# KiCad board AWS PROJECT.kicad_pcb (continued)
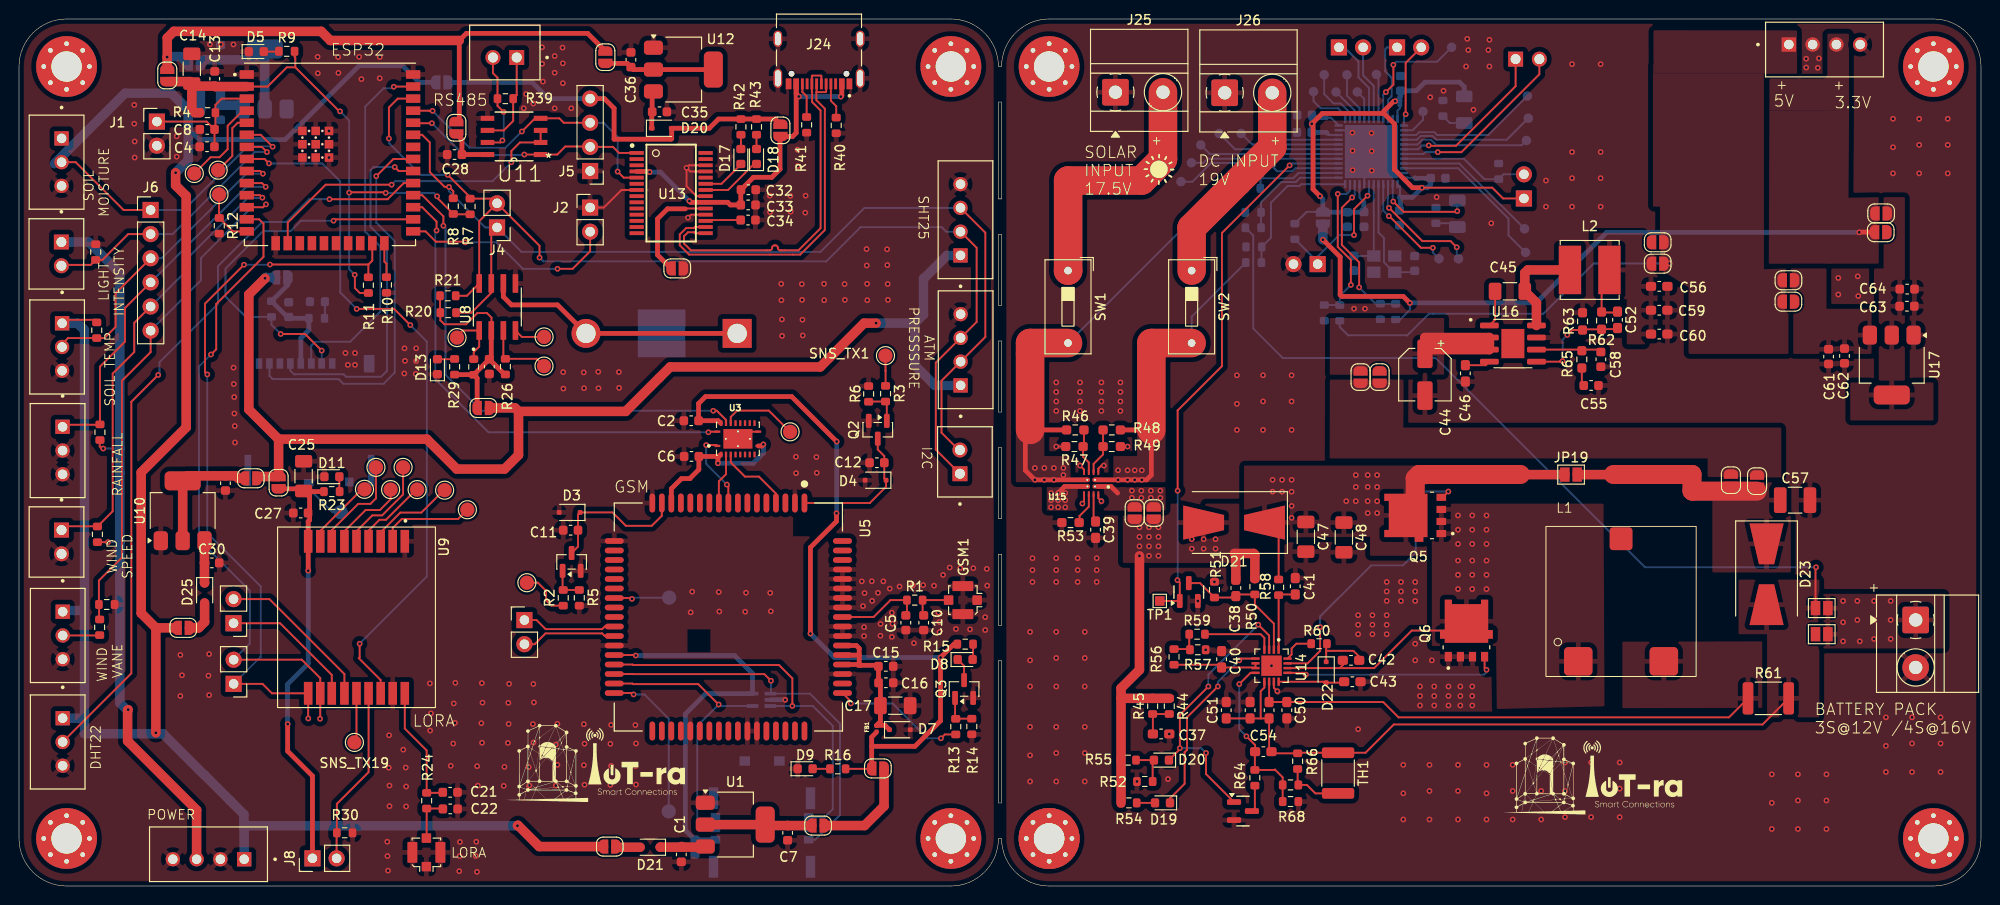
[diagram p0: board, top side]
## Nets (continued)
/power board/5V_INPUT: R71.2 R72.1 U18.11
GND: BT1.2 C1.2 C2.2 C3.2 C4.1 C5.2 C6.2 C7.2 C8.2 C9.2 C10.2 C11.2 C12.2 C13.2 C14.2 C15.2 C16.2 C17.2 C18.2 C21.2 C22.2 C25.2 C26.2 C27.2 C28.2 C29.2 C30.2 C31.2 C32.2 C33.2 C34.2 C35.2 C36.2 C37.2 C39.2 C40.2 C41.2 C43.2 C44.2 C46.2 C47.2 C48.2 C50.2 C51.2 C53.2 C55.2 C56.2 C57.2 C58.2 C59.2 C60.2 C61.2 C62.2 C63.2 C64.2 C65.2 C66.2 C67.2 C68.2 C69.2 C70.2 C71.2 C72.1 C73.1 D3.2 D4.2 D5.1 D6.2 D7.2 D9.1 D11.1 D13.1 D14.1 GSM1.2 GSM2.2 J1.2 J2.1 J5.1 J7.G1 J7.G2 J7.G3 J7.G4 J7.S4 J11.4 J12.2 J12.3 J13.2 J15.2 J15.4 J16.6 J16.9 J16.P1 J16.P2 J16.P3 J16.P4 J17.4 J18.3 J19.3 J20.3 J22.3 J24.A1_B12 J24.B1_A12 J24.S1 J24.S2 J24.S3 J24.S4 J25.1 J26.1 J27.2 J28.2 J28.4 J29.2 JP17.2 Q1.2 Q2.2 Q3.2 Q4.2 Q6.1 Q6.2 Q6.3 Q7.2 R5.1 R6.1 R10.2 R12.2 R14.1 R30.1 R34.1 R36.1 R40.1 R41.1 R47.2 R49.2 R51.1 R52.1 R53.2 R57.1 R63.2 R68.1 R70.2 R72.2 R74.2 R76.2 R78.2 R80.1 R81.1 R82.1 U1.1 U2.1 U3.11 U3.21 U3.21_1 U3.21_2 U3.21_3 U3.21_4 U4.1 U4.15 U4.38 U4.39_1 U4.39_2 U4.39_3 U4.39_4 U4.39_5 U4.39_6 U4.39_7 U4.39_8 U4.39_9 U5.2 U5.17 U5.18 U5.29 U5.39 U5.45 U5.46 U5.54 U5.58 U5.59 U5.61 U5.62 U5.63 U5.64 U5.65 U8.5 U9.1 U9.17 U10.1 U11.5 U12.1 U13.7 U13.18 U13.21 U13.25 U13.26 U14.11 U14.17 U15.3 U15.6 U15.9 U15.12 U16.7 U17.1 U18.8 U18.23 U18.35 U18.47 U18.49 Y1.2 Y1.4
VBUS: C32.1 C33.1 J24.A4_B9 J24.B4_A9 JP15.1 U13.4 U13.20
VDD: C65.1 C66.1 C67.1 C68.1 C69.1 C70.1 C71.1 D25#2.2 J30.1 JP25.1 R79.2 U18.1 U18.9 U18.22 U18.24 U18.36 U18.48
/gate way/32khz: R25.1 SNS_TX11.1 U8.1
/gate way/-rs485 en: U4.16 U11.2 U11.3
/gate way/D+: J3.1 U5.27
/gate way/D-: J3.2 U5.28
/gate way/DAVIS 7852: J6.4 J12.1 R32.1 U4.10
/gate way/DHT22: J22.2 U4.29
/gate way/DS18B20: J6.3 J20.2 R38.1 U4.9
/gate way/ESP32 power in: C13.1 C14.1 JP5.1 R4.1 R7.2 R8.2 R9.2 R11.1 U4.2
/gate way/ESP_RX: U3.20 U4.27
/gate way/ESP_TX: U3.18 U4.28
/gate way/gsm power key: R3.1 SNS_TX1.1
/gate way/gsm reset: R2.1 SNS_TX2.1
/gate way/gsm rx: U3.3 U5.10
/gate way/gsm tx: U3.1 U5.9
/gate way/GSM_pw in: C2.1 FB1.2 JP6.1 R15.2 R16.2 U3.19
/gate way/I2C SCL: J4.2 J11.3 J17.2 J23.1 R7.1 R21.1 U4.36 U8.8
/gate way/I2C SDA: J4.1 J11.2 J17.3 J23.2 R8.1 R20.1 U4.33 U8.7
/gate way/INSPEED VORTEX: J6.5 J13.1 R33.1 U4.11
/gate way/INSPEEED VANE: J6.6 R36.2 R37.2 U4.12
/gate way/LORA ANT: C21.1 R24.1 U9.18
/gate way/LORA BOOT: J8.2 R30.2 U9.15
/gate way/lora power in: C25.1 C27.1 J8.1 JP8.1 R23.2 U9.9
/gate way/LORA RST: U4.8 U9.16
/gate way/LORA_RX: J10.2 U4.13 U9.11
/gate way/LORA_TX: J10.1 R11.2 U4.23 U9.10
/gate way/main ant: C5.1 R1.1 U5.60
/gate way/netlight: R13.1 U5.52
/gate way/nreset: C11.1 D3.1 Q1.3 U5.16
/gate way/pwkey: C12.1 D4.1 Q2.3 U5.1
/gate way/ri: U3.4 U5.4
/gate way/RI: SNS_TX5.1 U3.17
/gate way/RS485 power in: C28.1 JP11#2.1 U11.8
/gate way/RTC INT: R26.1 SNS_TX10.1 U8.3
/gate way/RTC power input: C26.1 JP10.1 R20.2 R21.2 R25.2 R26.2 R29.2 U8.2
/gate way/RTC RST: SNS_TX9.1 U8.4
/gate way/rx: J5.2 U4.34 U11.1 U13.1
/gate way/S1223: J6.2 J14.2 R34.2 U4.7
/gate way/SD CS: J16.2 R35.1 U4.26
/gate way/SD power in: C29.1 J16.4 JP12#2.1 R31.2 R35.2
/gate way/SIM CLK: D6.1 J7.S3 U5.32
/gate way/SIM DATA: D6.3 J7.S6 U5.31
/gate way/SIM DET: SNS_TX8.1 U5.34
/gate way/SIM RST: D6.4 J7.S2 U5.33
/gate way/SIM VDD: C18.1 D6.5 J7.S1 U5.30
/gate way/strap2: R10.1 U4.24
/gate way/strap12: R12.1 SNS_TX7.1 U4.14
/gate way/tx: J5.3 U4.35 U11.4 U13.5
/gate way/USBD+: J24.A6 J24.B6 U13.15
/gate way/USBD-: J24.A7 J24.B7 U13.16
/gate way/VH400: J6.1 J19.2 U4.6
/gate way/VSPI-CLK: J16.5 U4.30
/gate way/VSPI-MISO: J16.7 U4.31
/gate way/VSPI-MOSI: J16.3 U4.37
/power board/BATT_INPUT: R75.2 R76.1 U18.13
/power board/BATT_VAL: C49.2 C51.1 C53.1 C54.1 D23.2 JP21#2.1 R61.2 R66.2 R75.1 TH1.1 U14.9
/power board/BATTERY BMS: J27.1 JP19.2 JP21#2.2
/power board/BOOT0_MCU: J30.2 R80.2 U18.44
/power board/BOOT1_MCU: PB21.1 U18.20
/power board/btst: R60.2 U14.16
/power board/CE: Q4.1 TP1.1 U18.16
/power board/cin: C72.2 U18.5 Y1.1
/power board/cout: C73.2 U18.6 Y1.3
/power board/DC JACK INPUT: R48.1 R73.1 SW2.2 U15.2 U15.2_1
/power board/DC_INPUT: R73.2 R74.1 U18.12
/power board/FB: C52.2 R62.2 R63.1 U16.5
/power board/hidriv: Q5.4 U14.15
/power board/lodriv: Q6.4 U14.13
/power board/MCU_SCL: J33.1 U18.42
/power board/MCU_SDA: J33.2 U18.43
/power board/mpptset: C38.2 Q4.3 R50.1 R51.2 U14.2
/power board/MUXOUT: C38.1 D21#2.2 JP13#2.2 JP18.2 R44.2 R45.2 R50.2 R54.2 R55.2
/power board/OV1: R46.2 R47.1 U15.5
/power board/OV2: R48.2 R49.1 U15.4
/power board/ph: C42.2 L1.1 Q5.1 Q5.2 Q5.3 Q6.5_6 U14.14
/power board/regn: C43.1 D22.2 U14.12
/power board/RST_MCU: J29.1 R79.1 U18.7
/power board/SOLAR INPUT: R46.1 R77.1 SW1.2 U15.7 U15.7_1
/power board/SOLAR_INPUT: R77.2 R78.1 U18.14
/power board/srn: JP19.1
/power board/srp: C49.1 C50.1 L1.2 R61.1 U14.10
/power board/stat1: D19.1 U14.5
/power board/stat2: D20#2.1 Q7.1 U14.3
/power board/SW_AP: C45.1 L2.1 U16.8
/power board/ts: R59.2 U14.4
/power board/vfb: C54.2 R64.2 R67.1 R68.2 U14.8
/power board/vref: C40.1 R56.2 U14.6 U14.7
Vbuck: JP11.2 JP18#2.2 JP19#3.2 JP20.2
Net-(C10-Pad1): C10.1 GSM1.1 R1.2
Net-(C15-Pad1): C15.1 C16.1 C17.1 D7.1 FB1.1 U5.55 U5.56 U5.57
Net-(C22-Pad1): C22.1 GSM2.1 R24.2
Net-(C37-Pad1): C37.1 R44.1 R45.1
Net-(C42-Pad1): C42.1 D22.1 R60.1
Net-(C55-Pad1): C55.1 R65.1
Net-(D5-A): D5.2 R9.1
Net-(D8-A): D8.2 R15.1
Net-(D8-K): D8.1 Q3.3
Net-(D9-A): D9.2 R16.1
Net-(D11-A): D11.2 R23.1
Net-(D13-A): D13.2 R29.1
Net-(D14-A): D14.2 R31.1
Net-(D17-A): D17.2 R42.1
Net-(D17-K): D17.1 U13.23
Net-(D18-A): D18.2 R43.1
Net-(D18-K): D18.1 U13.22
Net-(D19-A): D19.2 R54.1
Net-(D20-A): D20#2.2 R52.2 R55.1
Net-(D20-K): D20.1
Net-(D21-A): D21.2
Net-(D21-K): C47.1 C48.1 C57.1 D21#2.1 D23.1 JP18#2.1 JP19#2.1 JP19#2.2 JP20.1 Q5.5_6 R58.2
Net-(D24-A): D24#2.2 U18.2
Net-(D24-K): D24#2.1 R81.2
Net-(D25-A): D25.2 JP13.1
Net-(D25-K): D25#2.1 R82.2
Net-(J1-Pin_1): C4.2 C8.1 J1.1 R4.2 U4.3
Net-(J2-Pin_2): J2.2 U4.25
Net-(J9-Pin_1): J9.1 U9.12
Net-(J9-Pin_2): J9.2 U9.13
Net-(J16-DETECT_SWITCH): J16.10 SNS_TX20.1
Net-(J18-Pad2): J18.2 R37.1
Net-(J24-CC1): J24.A5 R40.2
Net-(J24-CC2): J24.B5 R41.2
Net-(J25-Pin_2): J25.2 SW1.1
Net-(J26-Pin_2): J26.2 SW2.1
Net-(J31-Pin_1): J31.1 U18.30
Net-(J31-Pin_2): J31.2 U18.31
Net-(J32-Pin_1): J32.1 U18.34
Net-(J32-Pin_2): J32.2 U18.37
Net-(JP1-A): JP1.1
Net-(JP2-A): D24.2 JP2.1
Net-(JP3-A): C7.1 JP3.1 U1.2
Net-(JP4-A): C9.1 JP4.1 U2.2
Net-(JP9-A): JP9.1
Net-(JP11-A): JP11.
Net-(JP12-A): JP12.1
Net-(JP13-A): JP13#2.1 JP18.1 U15.1 U15.1_1 U15.8 U15.8_1
Net-(JP14-A): C31.1 JP14.1 U10.2
Net-(JP16-A): C36.1 JP16.1 U12.2
Net-(JP17-A): JP17.1 U13.19
Net-(JP19-A): C44.1 JP19#3.1 U16.2 U16.3
Net-(JP21-A): JP21.1
Net-(JP22-A): C52.1 C56.1 C59.1 C60.1 JP22.1 L2.2 R62.1
Net-(JP23-A): C61.1 C62.1 JP23.1 U17.3
Net-(JP24-A): C63.1 C64.1 JP24.1 U17.2
Net-(Q1-B): Q1.1 R2.2 R5.2
Net-(Q2-B): Q2.1 R3.2 R6.2
Net-(Q3-B): Q3.1 R13.2 R14.2
Net-(Q7-D): Q7.3 R64.1
Net-(R56-Pad1): R56.1 R57.2 R59.1
Net-(R66-Pad1): R66.1 R67.2 TH1.2
Net-(U1-VI): C1.1 D21.1 U1.3
Net-(U2-VI): C3.1 D24.1 U2.3
Net-(U4-SENSOR_VN): SNS_TX4.1 U4.5
Net-(U4-SENSOR_VP): SNS_TX3.1 U4.4
Net-(U5-USB_VBUS): SNS_TX6.1 U5.24
Net-(U8-VBAT): BT1.1 BT1.1_1 U8.6
Net-(U9-IO4): SNS_TX17.1 U9.5
Net-(U9-IO5): SNS_TX18.1 U9.6
Net-(U9-IO8): SNS_TX14.1 U9.2
Net-(U9-IO9): SNS_TX16.1 U9.4
Net-(U9-IO11): SNS_TX15.1 U9.3
Net-(U9-IO14): SNS_TX19.1 U9.14
Net-(U9-SWC/IO7): SNS_TX12.1 U9.7
Net-(U9-SWD/IO6): SNS_TX13.1 U9.8
Net-(U10-VI): C30.1 D25.1 U10.3
Net-(U11-A): J21.1 R39.2 U11.6
Net-(U11-B): J21.2 R39.1 U11.7
Net-(U12-VI): C35.1 U12.3
Net-(U13-3V3OUT): C34.1 U13.17
Net-(U14-VCC): C41.1 R58.1 U14.1
Net-(U15-ILIM): R53.1 U15.10
Net-(U15-SS): C39.1 U15.11
Net-(U16-BST): C45.2 U16.1
Net-(U16-COMP): C58.1 R65.2 U16.6
Net-(U16-SS): C46.1 U16.4
Net-(U18-PA5): PB1.1 U18.15
Net-(U18-PA7): PB2.1 U18.17
Net-(U18-PA8): PB3.1 U18.29
Net-(U18-PA11): PB5.1 U18.32
Net-(U18-PA12): PB4.1 U18.33
Net-(U18-PA15/JTDI): PB6.1 U18.38
Net-(U18-PB0): PB7.1 U18.18
Net-(U18-PB1): PB8.1 U18.19
Net-(U18-PB3/JTDO-SWO): PB9.1 U18.39
Net-(U18-PB4/~{JTRST}): PB10.1 U18.40
Net-(U18-PB5): PB11.1 U18.41
Net-(U18-PB8): PB12.1 U18.45
Net-(U18-PB9): PB13.1 U18.46
Net-(U18-PB10): PB14.1 U18.21
Net-(U18-PB12): PB15.1 U18.25
Net-(U18-PB13): PB16.1 U18.26
Net-(U18-PB14): PB17.1 U18.27
Net-(U18-PB15): PB18.1 U18.28
Net-(U18-PC14-OSC32_IN): PB19.1 U18.3
Net-(U18-PC15-OSC32_OUT): PB20.1 U18.4

Pads without a net: J7 R1 R2 S5; J16 1 8; J24 A8 B8; L1 3; NOREF 1; REF** 1; REF**#2 1; REF**#3 1; REF**#4 1; REF**#5 1; REF**#6 1; REF**#7 1; REF**#8 1; U3 5 6 7 8 9 12 13 14 15 16; U4 17 18 19 20 21 22 32 39_10 39_11 39_12 39_13 39_14 39_15 39_16 39_17 39_18 39_19 39_20 39_21; U5 3 5 6 7 8 11 12 13 14 19 20 21 22 23 25 26 35 36 37 38 40 41 42 43 44 47 48 49 50 51 53 66 67 68; U13 2 3 6 8 9 10 11 12 13 14 24 27 28; U16 9

## Via types
v1: diameter 0.6, hole 0.3, Top to Bottom, 617 vias

## Routing (per net, layer and track width the routed paths; a pad name or vN(x,y) marks a point on that pad's centre or on a via; arc(x,y) is an arc through that point)
3v3: length 77.7
  Top w0.2: R33.2 v1(9.36,36.19) ; 8.48,46.67 8.48,46.27 8.71,46.04 v1(8.85,46.04)
  Top w1: v1(11.48,18.56) 11.42,18.5 11.42,15.26 18.68,8 J15.3
  Bottom w0.2: v1(8.85,46.04) 10.6,46.04 10.61,46.05 ; 10.61,36.22 10.58,36.19 v1(9.36,36.19)
  Bottom w1: 11.42,18.46 10.61,19.27 10.61,64.48 7.31,67.78 J14.1
5v: length 278.2
  Top w0.2: R38.2 7.9,59.59 4.57,59.59
  Top w0.5: JP15.2 79.53,80.72 R43.2 R42.2 73.56,80.72 72.59,79.75 D20.2 68.64,78.66 68.58,78.6 62.58,78.6 62.58,81.85 61.56,82.87 J5.4
  Top w1: v1(14.39,16.12) 14.39,27.17 ; 14.39,27.17 12.85,28.71 12.85,43.54 17.58,48.27 17.58,72.63 16.47,73.74 v1(16.47,75.07) ; 14.39,27.17 JP13.2 ; v1(52.42,6.34) 52.47,6.39 54.71,4.15 JP1.2
  Bottom w0.5: JP10#2.1 53.96,84.58 55.67,82.87 J5.4 ; JP10#2.2 42.07,84.58 42.08,84.59 40.32,86.34 35.77,86.34 27.99,78.56 18.95,78.56 17.79,79.72
  Bottom w1: v1(16.47,75.07) 17.79,76.39 JP2.2 16.02,83.44 11.15,83.44 3.73,76.02 ; J18.1 4.72,28.99 6.88,28.99 ; 6.88,28.99 6.88,17.71 ; 6.88,28.99 6.88,58.52 6.17,59.23 J20.1 ; 6.88,17.71 6.88,16.03 15.14,16.03 19.54,11.63 19.55,11.63 22.19,8.99 22.2,8.99 23.65,7.54 23.65,6.03 23.68,6 ; 6.88,17.71 6.83,17.66 J22.1 ; 23.68,6 J15.1 ; 23.68,6 24.02,6.34 v1(52.42,6.34)
+3.3V: length 70.5
  Top w0.5: v1(146.27,61.36) 145.58,62.05 139.11,62.05 138.94,62.22 138.94,66.21 v1(137.13,68.02) ; JP21.2 193.55,68.81 v1(193.53,68.79)
  Bottom w0.2: v1(146.27,61.36) 146.27,60.64 145.25,59.62 R69.1
  Bottom w0.5: v1(193.53,68.79) 166.97,68.79 159.54,61.36 v1(146.27,61.36)
  Bottom w1: JP25.2 v1(137.13,68.02)
+3.3V_ESP: length 61.9
  Top w0.5: 46.3,80.76 46.3,88.99 47.05,89.74 59.8,89.74 JP16.2
  Top w1: 46.3,88.99 32.74,88.99 31.78,89.95 16.28,89.95 15.59,89.26 15.59,87.25 v1(15.58,87.24) 15.58,85.97 JP5.2
  Bottom w1: v1(15.58,87.24) 15.64,87.3 17.03,87.3 JP4.2
+3.3V_GSM: length 11.1
  Top w1: JP6.2 90.97,8.41 88.92,6.36 JP3.2
+3.3V_LORA: length 127
  Top w1: 52.53,49.95 52.53,45.36 51.05,43.88 46.04,43.88 42.89,47.03 27.29,47.03 ; 52.53,49.95 63.8,49.95 68.48,54.63 84.26,54.63 88.87,59.24 v1(90.14,59.24) ; 52.53,49.95 52.16,50.32 49.49,50.32 JP10.2 ; 27.29,47.03 24.17,50.15 24.17,62.26 v1(25.87,63.96) ; 27.29,47.03 27.3,47.02 JP8.2 25.21,43.1 JP14.2
  Bottom w1: v1(90.14,59.24) 94.22,59.24 ; 94.22,59.24 94.22,54.78 96.31,52.69 J11.1 ; 94.22,59.24 95.12,60.14 95.12,63.95 95.17,63.95 97.59,66.37 J17.1 98.99,66.35 ; v1(25.87,63.96) 25.96,64.05 JP12#2.2
+5V: length 38.9
  Bottom w0.2: v1(173.6,65.52) 165.61,65.52 160.32,60.23 148.28,60.23 146,57.95 139.78,57.95 138.9,58.83 R71.1
/gate way/VDD_EXT: length 16.5
  Top w0.5: 73.57,45.21 73.5,45.14 v1(73.5,44.49) ; 73.57,45.21 C6.1 71.5,43.83 70.56,42.9 70.56,42.88 69.67,42.88 68.6,41.81 U5.15 ; 73.57,45.21 73.78,45.42 ; U3.10 78.11,46.31 v1(78.28,46.48)
  Bottom w0.5: v1(73.5,44.49) 77.2,44.49 78.28,45.57 v1(78.28,46.48)
/power board/3V3_INPUT: length 16.7
  Top w0.2: v1(140.2,72.46) 139.12,71.38 139.12,67.46 140.94,65.64 v1(140.94,63)
  Bottom w0.2: v1(140.2,72.46) 140.47,72.74 U18.10 ; R69.2 144.76,61.29 R70.1 142.65,61.29 v1(140.94,63)
/power board/5V_INPUT: length 16.5
  Top w0.2: v1(140.07,63.26) 140.07,65.88 138.69,67.26 v1(138.69,72.84)
  Bottom w0.2: v1(140.07,63.26) 138.9,62.09 R71.2 137.27,61.14 R72.1 ; v1(138.69,72.84) 139.62,72.84 139.97,73.19 U18.11
GND: length 44
  Top w0.2: 88.37,84.39 88.41,84.43 ; U15.3 113.51,43.92 113.83,44.25 v1(114.08,44.25) ; U15.6 112.01,43.83 v1(111.58,44.25) ; v1(70.2,75.59) 70.2,73.65 71.25,72.6 U13.21 ; v1(70.2,75.59) 70.58,75.2 U13.25 ; v1(70.2,75.59) 70.47,75.85 U13.26 ; U14.11 131.97,20.86 v1(132.33,20.5) ; U3.21 76.35,47.81 U3.11 ; U13.18 70.66,70.66 v1(70.35,70.35) ; U13.7 63.36,73.25 61.5,71.41 J2.1 ; R47.2 v1(109.08,46.25) ; v1(113.83,40.5) 113.51,40.83 U15.12 ; U15.9 112.01,40.42 v1(111.83,40.25) ; R49.2 v1(116.58,46.25)
  Bottom w0.2: U18.49 141.47,76.54 U18.8 ; U18.49 144.47,75.04 U18.47 ; U18.49 v1(140.23,79.29) 139.97,79.54 U18.23 ; U18.49 144.47,79.54 U18.35
  Bottom w0.5: D6.2 v1(80.58,19.6)
  vias: v1(12.12,82.21) v1(12.12,80.23) v1(12.16,78.36) v1(12.16,76.67) v1(16.58,78.9) v1(16.58,76.76) v1(16.97,24.32) v1(16.97,20) v1(17.14,22.18) v1(19.92,22.14) v1(19.99,24.41) v1(19.99,20.09) v1(20.08,88.59) v1(21.24,88.57) v1(22.55,88.57) v1(22.56,54.56) v1(22.58,52.83) v1(22.63,51.46) v1(22.65,49.73) v1(22.69,48.41) v1(22.71,46.68) v1(31.4,87.27) v1(31.42,85.54) v1(32.6,79.47) v1(32.6,76.67) v1(33.56,87.24) v1(33.59,85.58) v1(34.33,56.1) v1(34.58,54.85) v1(35.33,56.1) v1(35.33,54.85) v1(35.77,87.27) v1(36.01,84.92) v1(37.93,87.24) v1(37.93,85.01) v1(38.73,4.66) v1(38.75,3.15) v1(38.88,12.45) v1(38.81,1.62) v1(38.92,15.86) v1(38.96,10.57) v1(38.96,8.4) v1(40.41,14.35) v1(40.54,56.59) v1(40.52,53.94) v1(40.59,55.27) v1(40.67,12.47) v1(40.71,10.47) v1(40.71,8.37) v1(41.77,56.59) v1(41.76,55.24) v1(41.72,53.9) v1(43.21,21.32) v1(43.24,16.36) v1(43.32,18.17) v1(45.4,12.65) v1(45.67,14.99) v1(45.72,19.21) v1(45.84,17.17) v1(45.89,21.39) v1(46.37,4.64) v1(46.34,3.15) v1(46.3,1.56) v1(48.03,3.15) v1(48.18,12.61) v1(48.09,4.66) v1(48.16,1.49) v1(48.25,10.56) v1(48.67,21.35) v1(48.62,17.13) v1(48.74,19.3) v1(48.69,15.08) v1(50.97,10.54) v1(51.05,12.54) v1(51.46,19.28) v1(51.41,15.06) v1(51.54,21.28) v1(51.49,17.06) v1(53.08,81.85) v1(53.33,83.35) v1(53.6,12.52) v1(53.66,10.58) v1(54.04,17.04) v1(54.08,82.35) v1(54.09,21.26) v1(54.15,19.32) v1(54.1,15.1) v1(55,88.27) v1(55.02,86.54) v1(55.09,84.67) v1(56.33,87.35) v1(56.33,85.6) v1(56.33,81.85) v1(56.45,14.89) v1(56.45,10.57) v1(56.62,17.07) v1(56.62,12.75) v1(57.16,88.24) v1(57.19,86.58) v1(57.19,84.49) v1(57.23,54.08) v1(57.25,52.35) v1(58.08,81.85) v1(59.39,54.05) v1(59.42,52.39) v1(59.4,17.03) v1(59.47,14.98) v1(59.4,12.71) v1(59.47,10.66) v1(60.92,54.12) v1(60.94,52.39) v1(62.27,16.96) v1(62.19,14.96) v1(62.27,12.64) v1(62.19,10.64) v1(63.08,54.09) v1(63.11,52.43) v1(64.82,16.94) v1(64.88,15) v1(64.82,12.62) v1(64.88,10.68) v1(70.63,28.8) v1(70.8,30.98) v1(73.58,30.94) v1(73.65,28.89) v1(76.37,28.87) v1(76.45,30.87) v1(78.96,72.66) v1(78.98,70.93) v1(79,30.85) v1(79.06,28.91) v1(80.16,63.38) v1(80.18,61.65) v1(80.23,59.63) v1(80.25,57.9) v1(81.12,72.63) v1(81.15,70.97) v1(81.7,45.18) v1(81.72,43.45) v1(81.87,77.5) v1(81.89,75.77) v1(82.32,63.35) v1(82.35,61.69) v1(82.39,59.6) v1(82.42,57.94) v1(82.72,72.66) v1(82.69,70.87) v1(83.86,45.15) v1(83.89,43.49) v1(84.66,63.38) v1(84.68,61.65) v1(86.82,63.35) v1(86.85,61.69) v1(88.63,32.06) v1(88.76,29.46) v1(88.87,27.24) v1(88.87,26.31) v1(88.92,30.83) v1(89.13,67.04) v1(89.15,65.31) v1(89.19,63.38) v1(89.21,61.65) v1(89.68,32.07) v1(89.72,30.01) v1(90.33,30.86) v1(90.6,27.58) v1(90.59,26.34) v1(90.9,32.06) v1(91.29,67.01) v1(91.32,65.35) v1(91.35,63.35) v1(91.38,61.69) v1(91.57,31.3) v1(91.79,28.77) v1(91.86,27.6) v1(91.79,26.22) v1(92.6,31.52) v1(94,31.65) v1(94.11,25.56) v1(95.09,31.67) v1(96.23,31.61) v1(96.69,28.78) v1(96.79,27.78) v1(96.8,26.72) v1(97.18,32.74) v1(97.87,33.52) v1(98.53,27.05) v1(98.99,33.47) v1(100.01,27.01) v1(100.36,33.45) v1(101.61,28.3) v1(101.61,26.94) v1(101.77,33.38) v1(101.82,31.62) v1(106.33,26.75) v1(106.33,23.75) v1(106.33,21) v1(106.33,16.75) v1(106.33,13.75) v1(106.33,11) v1(106.58,34.5) v1(106.58,33.25) v1(106.58,32) v1(109.08,53) v1(109.08,52) v1(109.08,51) v1(109.08,50) v1(109.08,34.5) v1(109.08,33.25) v1(109.08,32) v1(109.08,26.75) v1(109.08,24) v1(109.08,21) v1(109.08,16.75) v1(109.08,14) v1(109.08,11) v1(111.33,34.5) v1(111.33,33.25) v1(111.33,32) v1(111.58,53) v1(111.58,52) v1(111.58,51) v1(111.58,50) v1(112.08,26.75) v1(112.08,24) v1(112.08,21) v1(112.08,16.75) v1(112.08,14) v1(112.08,11) v1(113.33,34.5) v1(113.33,33.25) v1(113.33,32) v1(113.83,53) v1(113.83,52) v1(113.83,51) v1(113.83,50) v1(115.83,53) v1(115.83,52) v1(115.83,51) v1(115.83,50) v1(117.57,11) v1(120.83,11.25) v1(120.97,16) v1(123.97,30) v1(124.79,24.86) v1(125.72,32.01) v1(128.08,53.75) v1(128.08,50.75) v1(128.08,48) v1(130.83,53.75) v1(130.83,51) v1(130.83,48) v1(131.72,23.19) v1(133.83,53.75) v1(133.83,51) v1(133.83,48) v1(140.25,77.38) v1(140.26,75.34) v1(140.4,60.76) v1(140.83,28.5) v1(140.83,27.5) v1(140.83,26.5) v1(140.83,16.5) v1(141.55,60.76) v1(142.24,79.24) v1(142.25,77.34) v1(142.26,75.3) v1(142.33,28.5) v1(142.33,27.5) v1(142.33,26.5) v1(143.83,32) v1(143.83,31) v1(143.83,30) v1(143.83,28.5) v1(143.83,27.5) v1(143.83,26.5) v1(145.33,32) v1(145.33,31) v1(145.33,30) v1(145.58,12.75) v1(145.58,9.75) v1(145.58,7) v1(146.83,32) v1(146.83,31) v1(146.83,30) v1(146.83,25.5) v1(146.83,23.75) v1(147.33,21) v1(147.33,20) v1(147.33,19) v1(148.33,12.75) v1(148.33,10) v1(148.33,7) v1(148.42,83.01) v1(148.58,23.75) v1(148.83,21) v1(148.83,20) v1(148.83,19) v1(149.08,72.5) v1(149.81,83.69) v1(150.33,21) v1(150.33,20) v1(150.33,19) v1(151.33,12.75) v1(151.33,10) v1(151.33,7) v1(151.58,21) v1(151.58,20) v1(151.58,19) v1(152.18,86.25) v1(152.31,89.16) v1(152.42,87.98) v1(152.83,21) v1(152.83,20) v1(152.83,19) v1(152.96,81.69) v1(154.33,12.75) v1(154.33,9.75) v1(154.33,7) v1(154.53,87.98) v1(154.64,89.06) v1(154.64,86.25) v1(154.83,69.75) v1(157.08,12.75) v1(157.08,10) v1(157.08,7) v1(160.08,12.75) v1(160.08,10) v1(160.08,7) v1(160.58,74.25) v1(160.58,71.5) v1(162.58,13) v1(162.58,10) v1(162.58,7.25) v1(163.33,86.5) v1(163.33,77.25) v1(163.33,74.5) v1(163.33,71.5) v1(165.33,13) v1(165.33,10.25) v1(165.33,7.25) v1(166.33,86.5) v1(166.33,77.25) v1(166.33,74.5) v1(166.33,71.5) v1(168.33,13) v1(168.33,10.25) v1(168.33,7.25) v1(184.33,11.75) v1(184.33,8.75) v1(184.33,6) v1(187.08,11.75) v1(187.08,9) v1(187.08,6) v1(187.95,87.07) v1(187.96,86.14) v1(189.17,86.11) v1(189.29,87.1) v1(190.08,11.75) v1(190.08,9) v1(190.08,6) v1(191.33,64) v1(191.33,62.25) v1(193.37,64.16) v1(193.43,62.09) v1(196.33,17.75) v1(196.33,14.75) v1(196.33,12) v1(197.08,80.75) v1(197.08,77.75) v1(197.08,75) v1(199.08,17.75) v1(199.08,15) v1(199.08,12) v1(199.83,80.75) v1(199.83,78) v1(199.83,75) v1(202.08,17.75) v1(202.08,15) v1(202.08,12) v1(202.83,80.75) v1(202.83,78) v1(202.83,75)
VBUS: length 36.7
  Top w0.5: J24.A4_B9 86.53,83.19 v1(86.42,83.08) ; U13.4 66.25,75.2 v1(66.32,75.14) ; v1(82.01,83.09) 81.73,83.37 J24.B4_A9 81.73,79.26 81.35,78.88 JP15.1 80.03,78.84 80.03,75.45 79.17,74.59 77.23,74.59 C32.1 75.91,73.26 75.91,71.68 74.81,71.68 74.53,71.95 U13.20 70.64,71.95 v1(70.5,72.09)
  Bottom w0.5: v1(70.5,72.09) 67.45,75.14 v1(66.32,75.14) ; v1(82.01,83.09) 82.02,83.08 v1(86.42,83.08)
VDD: length 81.9
  Top w0.2: v1(147.54,73.49) 154.94,73.49 156.07,72.36 J30.1
  Top w0.5: 143.54,81.31 143.54,81.55 144.57,82.59 v1(144.72,82.59) ; 143.54,81.31 144.65,80.2 144.65,75.4 146.56,73.49 v1(147.54,73.49) ; 143.54,81.31 137.06,81.31 136.09,80.34 136.09,73.33 v1(136.83,72.59)
  Bottom w0.2: 145.17,72.46 145.23,72.51 145.23,73.6 U18.1 ; R79.2 135.41,70.95 JP25.1 ; U18.22 137.77,79.04 137.6,79.21 ; 137.48,80.87 137.96,80.87 U18.24 ; U18.36 144.97,81.61 145.22,81.85 145.22,82.18 ; 141.44,71.98 140.97,72.45 U18.9 ; U18.48 146.77,74.54
  Bottom w0.5: C68.1 145.28,71.21 145.28,72.36 145.17,72.46 145.2,72.48 146.53,72.48 v1(147.54,73.49) 148.13,73.49 148.46,73.83 C67.1 146.82,74.49 146.77,74.54 ; D25#2.2 151.99,84.11 151.5,84.6 147.86,84.6 146.95,83.7 C65.1 145.29,83.11 145.22,83.04 145.22,82.66 ; C69.1 135.95,81.11 v1(135.95,80.22) C70.1 137.49,79.32 137.6,79.21 ; 145.22,82.66 145.22,82.18 ; 145.22,82.66 144.8,82.66 v1(144.72,82.59) ; 135.98,80.88 137.47,80.88 137.48,80.87 ; 141.44,71.98 C66.1 139.71,70.93 C71.1 137.16,70.92 JP25.1 137.13,72.29 v1(136.83,72.59)
/gate way/32khz: length 6
  Top w0.2: R25.1 47.82,56.2 48.39,56.78 U8.1 46.69,58.47 46.06,57.83 SNS_TX11.1
/gate way/-rs485 en: length 34.2
  Top w0.2: U4.16 28.26,69.82 32.25,73.81 v1(39.18,73.81) ; v1(51.78,76.17) 51.78,77.36 52.67,78.25 U11.2 U11.3
  Bottom w0.2: v1(39.18,73.81) 39.55,74.18 49.79,74.18 v1(51.78,76.17)
/gate way/D+: length 10
  Top w0.2: U5.27 61.6,27.31 61.33,27.03 55.38,27.03 54.43,27.99 J3.1
/gate way/D-: length 10
  Top w0.2: J3.2 54.23,25.45 55.36,26.58 61.33,26.58 61.6,26.31 U5.28
/gate way/DAVIS 7852: length 39.8
  Top w0.2: 4.71,48.54 8.26,48.54 8.48,48.32 ; 8.42,48.54 8.67,48.3 ; v1(25.94,73.59) 25.55,73.98 U4.10 ; 8.51,48.58 8.51,54.66 11.14,57.29 11.14,60.83 J6.4
  Bottom w0.2: v1(25.94,73.59) 23.9,73.59 J6.4
/gate way/DHT22: length 81
  Top w0.2: U4.29 40.46,73.98 38.76,72.28 v1(32.65,72.28) ; 14.64,53.76 v1(14.64,53.79) 11.81,50.96 11.81,22.38 J22.2
  Bottom w0.2: v1(14.64,53.79) 14.77,53.92 14.77,55.13 20.92,61.28 20.92,65.24 25.57,69.89 28.1,69.89 30.49,72.28 v1(32.65,72.28)
/gate way/DS18B20: length 32.4
  Top w0.2: 4.57,57.09 5.15,57.67 R38.1 8.98,57.67 10.15,58.84 10.15,62.38 J6.3 ; U4.9 25.37,75.25 v1(25.65,74.97)
  Bottom w0.2: J6.3 15.01,66.07 23.91,74.97 v1(25.65,74.97)
/gate way/ESP32 power in: length 61.2
  Top w0.2: U4.2 26.14,84.14 28.17,86.17 29.05,86.17 ; v1(38.56,72.95) 38.5,73.01 34.75,73.01 v1(34.72,72.98) ; 36.74,62.42 35.83,62.42 35.32,62.93 35.32,64.31 v1(35.3,64.33) ; 29.05,86.17 29.05,87.21 28.98,87.28 R9.2 ; 29.05,86.17 33.69,81.53 v1(33.76,81.53) ; v1(43.97,72.59) 43.97,72.44 R8.2 45.71,70.69 R7.2
  Top w1: C14.1 18.17,81.73 18.51,81.39 R4.1 ; C14.1 18.44,84.19 C13.1 20.62,84.14 U4.2 ; C14.1 17.97,84.66 JP5.1
  Bottom w0.2: v1(33.76,81.53) 34.72,80.57 34.72,64.91 v1(35.3,64.33) ; v1(38.56,72.95) 43.61,72.95 v1(43.97,72.59)
/gate way/ESP_RX: length 51.7
  Top w0.2: v1(72.5,47.75) 72.56,47.81 U3.20 ; U4.27 42.4,71.44 43.91,69.93 v1(43.91,68.99)
  Bottom w0.2: v1(43.91,68.99) 43.79,68.87 43.79,53.34 49.38,47.75 v1(72.5,47.75)
/gate way/ESP_TX: length 52.7
  Top w0.2: U3.18 74.35,49.06 73.39,50.02 v1(73.01,50.02) ; v1(44.63,69.49) 44.63,70.48 42.4,72.71 U4.28
  Bottom w0.2: v1(44.63,69.49) 44.85,69.27 44.85,53.82 48.65,50.02 v1(73.01,50.02)
/gate way/gsm power key: length 3.4
  Top w0.2: 91.27,52.5 R3.1 91.13,54.22 91.12,54.23 SNS_TX1.1
/gate way/gsm reset: length 5.4
  Top w0.2: R2.1 55.98,29.5 55.42,30.07 55.42,31.07 54.57,31.92 SNS_TX2.1
/gate way/gsm rx: length 5.4
  Top w0.2: 74.35,45.42 74.35,43.34 73.6,42.59 U5.10
/gate way/gsm tx: length 8.3
  Top w0.2: U3.1 73.36,46.41 v1(72.27,46.41) ; U5.9 74.6,42.09 v1(74.44,42.25)
  Bottom w0.2: v1(74.44,42.25) 74.44,42.26 72.27,44.43 v1(72.27,46.41)
/gate way/GSM_pw in: length 81.2
  Top w0.2: JP6.1 89.63,12.33 R16.2
  Top w0.5: 89.67,14.7 89.67,15.68 90.18,16.19 ; 89.67,14.7 JP6.1 ; 89.67,14.7 94.22,14.7 96.91,17.39 v1(96.91,24.05) 98.32,25.45 R15.2 ; v1(85.99,46.78) 81.26,51.51 72.2,51.51 71.47,50.78 C2.1 73.52,48.97 73.78,48.72 ; v1(85.97,39.23) 85.97,38.38 83.23,35.64 v1(83.23,26.57)
  Bottom w0.5: v1(85.97,39.23) 85.99,39.25 v1(85.99,46.78) ; v1(83.23,26.57) 85.75,24.05 v1(96.91,24.05)
/gate way/I2C SCL: length 115.8
  Top w0.2: R21.1 47.1,62.12 48.39,63.42 48.39,69.97 J4.2 ; J23.1 96.41,45.93 96.41,55.07 J11.3 100.71,59.37 100.71,67.17 J17.2 ; J4.2 49.77,72.34 47.44,72.34 47.44,72.49 v1(45.08,74.85) ; J4.2 54.74,67.38 v1(54.74,66.14) ; v1(38.9,78.67) 38.9,81.94 39.83,82.87 U4.36
  Bottom w0.2: v1(45.08,74.85) 42.24,74.85 38.94,78.15 38.94,78.71 v1(38.9,78.67) ; v1(54.74,66.14) 55.14,65.74 84.89,65.74 88.49,69.34 97.03,69.34 97.5,68.87 J17.2
/gate way/I2C SDA: length 109.1
  Top w0.2: U4.33 42.4,79.06 43.2,78.26 43.2,75.14 44.76,73.58 v1(45.22,73.58) 45.67,73.13 45.67,72.38 ; J17.3 101.62,68.76 101.62,57.78 J11.2 97.01,53.17 97.01,47.71 98.83,45.89 J23.2 ; J4.1 49.66,68.7 49.66,62.43 47.58,60.34 R20.1
  Bottom w0.2: v1(45.22,73.58) 45.22,73.12 49.03,69.31 J4.1 52.84,66.74 84.29,66.74 88.92,71.37 J17.3
/gate way/INSPEED VORTEX: length 48
  Top w0.2: U4.11 25.34,72.71 v1(25.6,72.45) ; J6.5 12.12,59.27 12.12,56.2 9.85,53.93 9.85,39.44 R33.1 8.22,37.86 4.67,37.86
  Bottom w0.2: v1(25.6,72.45) 25.57,72.42 24.05,72.42 18.01,66.38 18.01,65.16 J6.5
/gate way/INSPEEED VANE: length 53.8
  Top w0.2: v1(25.97,71.74) 25.67,71.44 U4.12 ; 8.42,28.02 8.42,29.54 8.45,29.56 ; R36.2 8.4,32.15 10.82,34.57 10.82,53.17 13.84,56.19 J6.6
  Bottom w0.2: v1(25.97,71.74) 25.65,71.42 24.46,71.42 19.13,66.09 19.13,63.74 J6.6